# Altium PCB track_kit_test_3.PcbDoc
Units mm, origin at the board's own origin, x right, y up, seen from the top; angles counter-clockwise.
Board outline 60 x 169.5 mm, 2 copper layers (Top Layer, Bottom Layer), stack 1.571 mm thick; 57 components, 71 nets, 171 pads, 4 vias.
Unrouted connection lines stored in the file: 81.
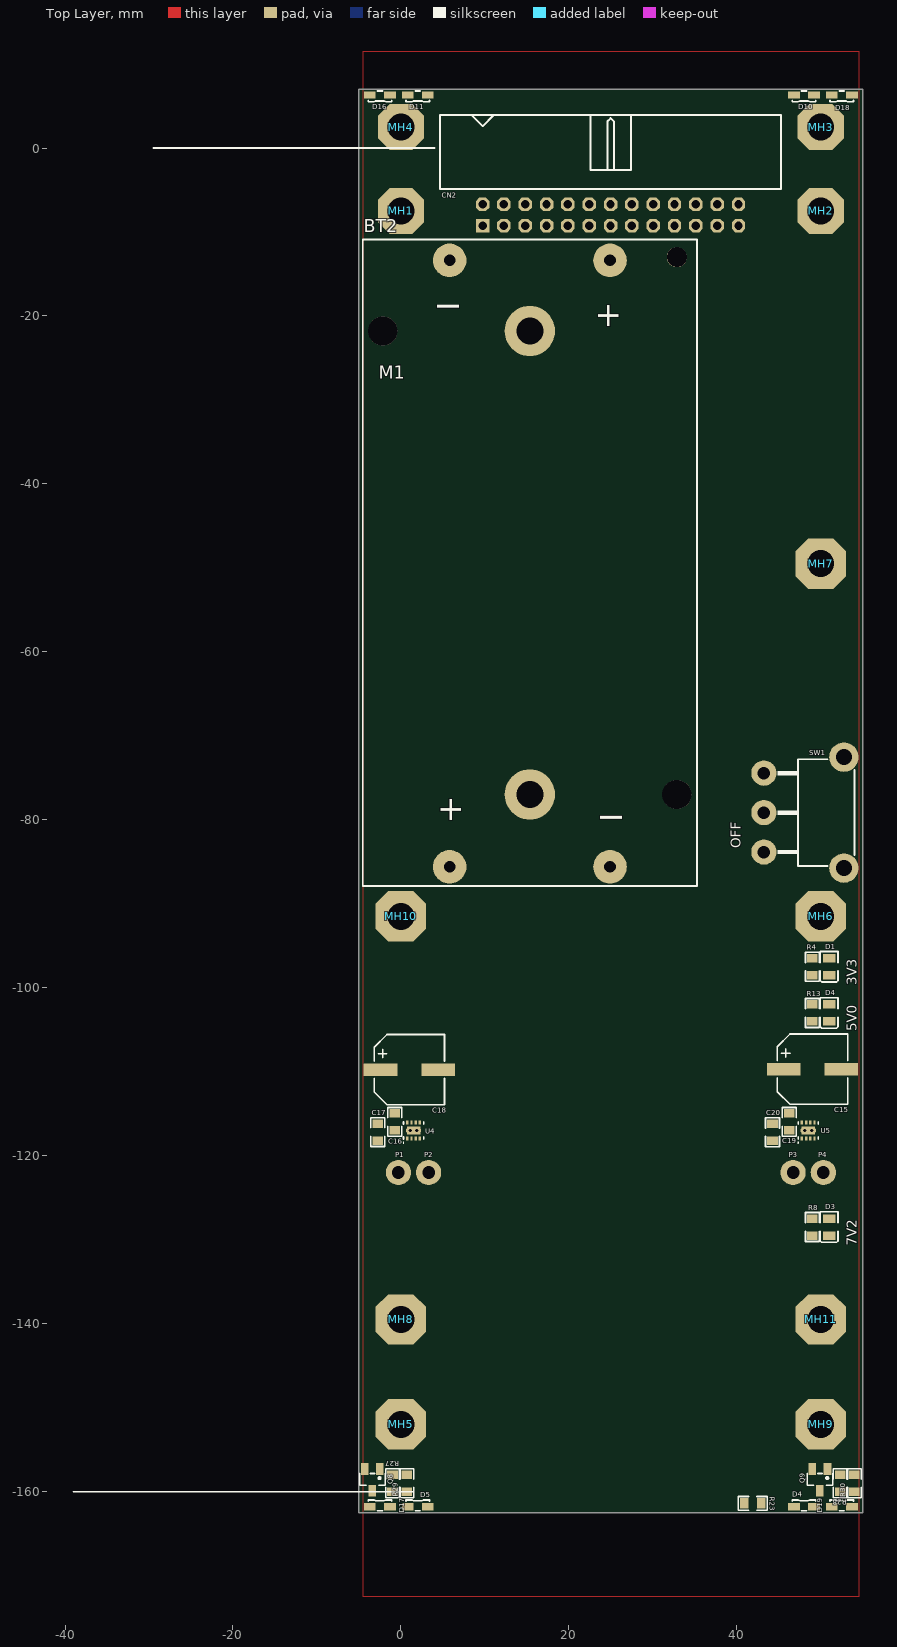
[diagram p0: Top Layer view]
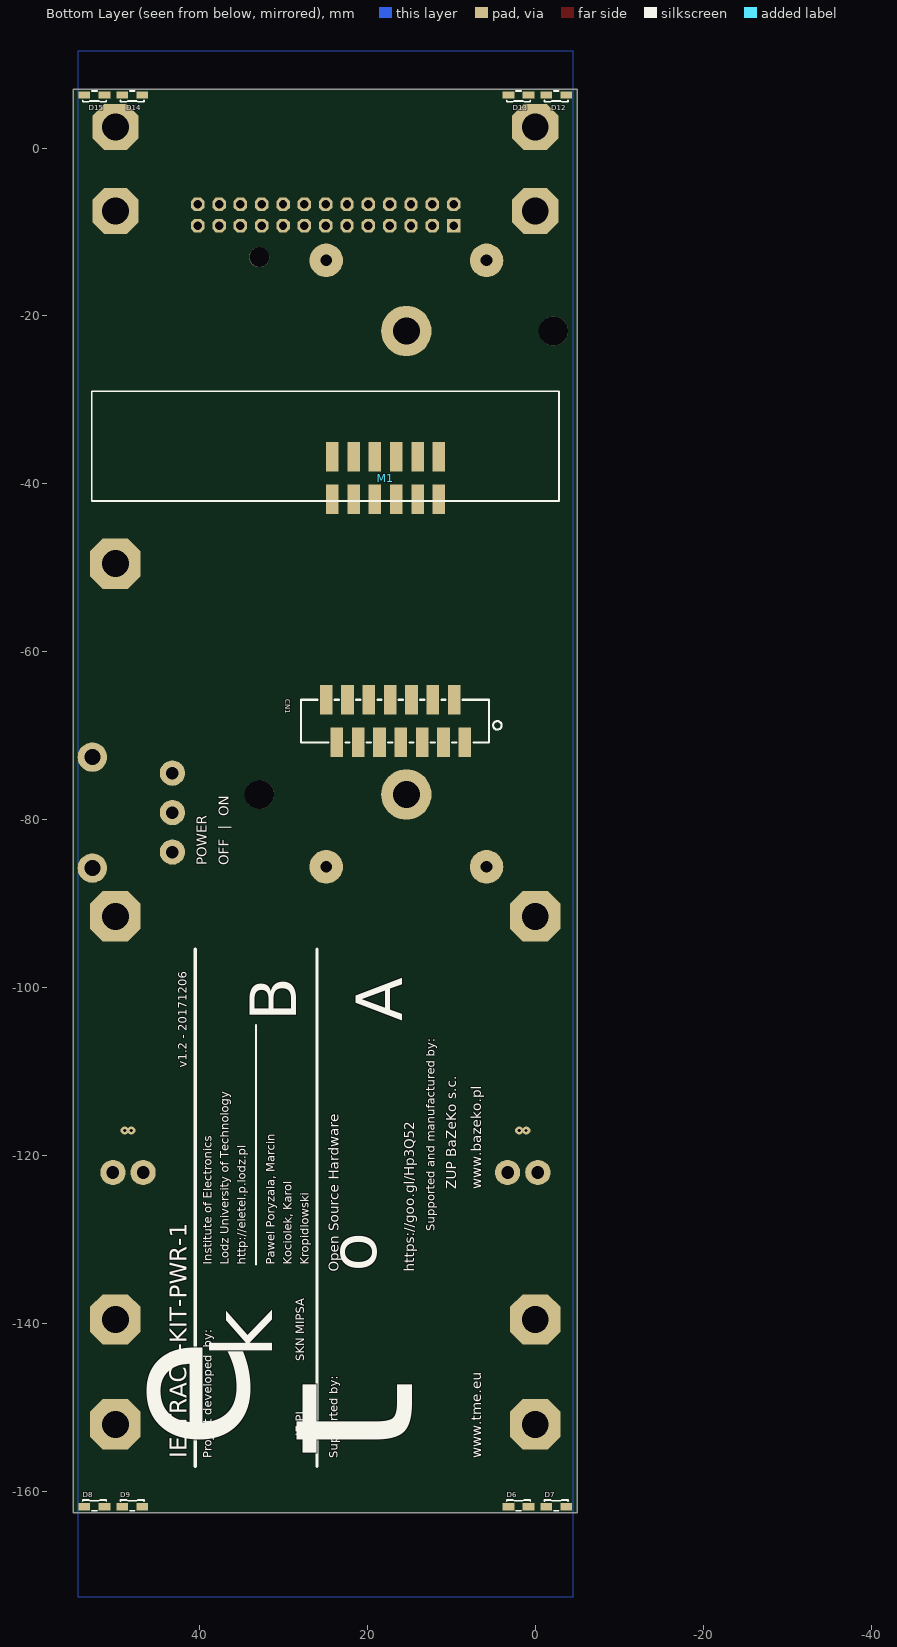
[diagram p1: Bottom Layer view, seen from below]

## Layer stack, top to bottom
Top Solder: solder mask 0.0102, Solder Resist, Dk 3.5
Top Layer: signal copper 0.0356
Dielectric 1: dielectric 1.5, FR-4, Dk 4.8
Bottom Layer: signal copper 0.0356
Bottom Solder: solder mask 0.0102, Solder Resist, Dk 3.5

## Board outline
-5,-162.5 55,-162.5 55,7 -5,7

## Design rules (kind name [scope] priority, off if disabled: settings)
Clearance Clearance_1 [OnLayer('Mechanical 3')] p1: gap=0.5 ignorepadtopadclearanceinfootprint=FALSE
Clearance [All] p2: gap=0.2 ignorepadtopadclearanceinfootprint=FALSE
ComponentClearance [All] p1: gap=0.2 collisioncheckmode=3 verticalgap=0.2 showdistances=FALSE
HoleSize [All] p1: absolutevalues=TRUE maxlimit=3.2 minlimit=0.025 maxpercent=80.000 minpercent=20.000
PolygonConnect [All] p1: thpad.connectstyle=Relief thpad.reliefconductorwidth=0.6 thpad.reliefentries=4 thpad.polygonreliefangle="90 Angle" thpad.airgapwidth=0.254 smdpad.connectstyle=Relief smdpad.reliefconductorwidth=0.6 smdpad.reliefentries=4 smdpad.polygonreliefangle="90 Angle" smdpad.airgapwidth=0.254 via.connectstyle=Direct via.reliefconductorwidth=0.6 via.reliefentries=4 via.polygonreliefangle="90 Angle" via.airgapwidth=0.254
RoomDefinition mechanical [InComponentClass('mechanical')] p1: confinementstyle=ConfineIn formatcopy=TRUE lockcomponents=FALSE outline -22.4,-192.3 73.1,-192.3 73.1,36.5 -22.4,36.5
RoomDefinition main_connector [InComponentClass('main_connector')] p2: confinementstyle=ConfineIn formatcopy=TRUE lockcomponents=FALSE outline -24.7,-196.1 86.7,-196.1 86.7,53.9 -24.7,53.9
RoutingVias [All] p1: holewidth=0.4 width=1 viastyle="Through Hole" minholewidth=0.3 minwidth=0.6 maxholewidth=0.4 maxwidth=1
SilkToSolderMaskClearance [IsPad] p1: minsilkscreentomaskgap=0 clearancetoexposedcopper=TRUE
SolderMaskExpansion [All] p1: expansion=0.102
Width [All] p1: maxlimit=4 minlimit=0.28 preferedwidth=0.6
27 further rules are at their usual default settings.

## Classes and differential pairs
component class lights: CN1 D4 D6 D7 D8 D9 D10 D11 D12 D13 D14 D15 D16 D17 D18 D19 M1 Q8 Q9 R23 R27 R28 R29 R30
component class power: D1 D3 D4 D5 R4 R8 R13 SW1
component class battery_protection: BT2
component class motor_drivers: C15 C16 C17 C18 C19 C20 C21 C22 C23 P1 P2 P3 P4 U4 U5
component class mechanical: MH1 MH3 MH4 MH5 MH6 MH8 MH9 MH10 MH11
component class main_connector: CN2 Q10 Q? R31 R32

## Components (designator, comment, footprint, x,y, rotation, side; value= is the part's Value field where it differs from the comment)
BT2 "KEYSTONE 1049" KEYSTONE_1049 15.35,-49.49 r90 top locked
C15 "220uF/16V" CES_E_8.3x8.3_6.2 49,-109.7 r90 top locked
C16 "100nF" C0805 -0.75,-115.975 r90 top locked
C17 "100nF" C0805 -2.75,-117.191 r270 top locked
C18 "220uF/16V" CES_E_8.3x8.3_6.2 1,-109.75 r90 top locked
C19 "100nF" C0805 46.25,-115.975 r90 top locked
C20 "100nF" C0805 44.25,-117.2 r270 top locked
CN1 "TMM-6-L-14-2" MM_14_SMD_LCK 16.645,-68.246 r180 bottom locked
CN2 "IDC Connector" IDC26_RA_LONG_W_CN 24.96,-7.97 r0 top locked
D1 "LED_YELLOW" LED0805Y 51,-97.5 r270 top
D3 "RED" LED0805R 51,-128.5 r270 top
D4 "KA-2810ASURSK" LED2810 48,-161.4 r180 top locked
D4 "GREEN" LED0805G 51,-103 r270 top
D5 "KA-2810ASURSK" LED2810 2,-161.4 r180 top locked
D6 "KA-2810ASURSK" LED2810 2,-161.4 r0 bottom locked
D7 "KA-2810ASURSK" LED2810 -2.5,-161.4 r0 bottom locked
D8 "KA-2810ASURSK" LED2810 52.5,-161.4 r0 bottom locked
D9 "KA-2810ASURSK" LED2810 48,-161.4 r0 bottom locked
D10 "LTW-108DCG-HS10" LED2810 48,5.9 r0 top
D11 "LTW-108DCG-HS10" LED2810 2,5.9 r0 top
D12 "LTW-108DCG-HS10" LED2810 -2.5,5.9 r180 bottom
D13 "LTW-108DCG-HS10" LED2810 2,5.9 r180 bottom
D14 "LTW-108DCG-HS10" LED2810 48,5.9 r180 bottom
D15 "LTW-108DCG-HS10" LED2810 52.5,5.9 r180 bottom
D16 "KA-2810ASESK" LED2810 -2.5,5.9 r0 top
D17 "KA-2810ASESK" LED2810 -2.5,-161.4 r180 top locked
D18 "KA-2810ASESK" LED2810 52.5,5.9 r0 top
D19 "KA-2810ASESK" LED2810 52.5,-161.4 r180 top locked
M1 "QTR-8RC_VIA_IDC" QTR-8RC_SNAPPED_GOLDPIN_VERTICAL 25,-39.3 r0 top locked
MH1 "MHOLE 3mm" "3mm screw drill I"#1 0,-7.5 r0 top
MH2 "MHOLE 3mm" "3mm screw drill I"#1 50,-7.5 r0 top
MH3 "MHOLE 3mm" "3mm screw drill I"#1 50,2.5 r0 top
MH4 "MHOLE 3mm" "3mm screw drill I"#2 0,5 r0 top
MH5 "MHOLE 3mm" "3mm screw drill I"#3 0,-152 r0 top
MH6 "MHOLE 3mm" "3mm screw drill I"#3 50,-91.5 r0 top
MH7 "MHOLE 3mm" "3mm screw drill I"#3 50,-49.5 r0 top
MH8 "MHOLE 3mm" "3mm screw drill I"#3 0,-139.5 r0 top
MH9 "MHOLE 3mm" "3mm screw drill I"#3 50,-152 r0 top
MH10 "MHOLE 3mm" "3mm screw drill I"#3 0,-91.5 r0 top
MH11 "MHOLE 3mm" "3mm screw drill I"#3 50,-139.5 r0 top
P1 "CablePAD" PADTHT1.5x3mm -0.3,-122 r0 top
P2 "CablePAD" PADTHT1.5x3mm 3.3,-122 r0 top locked
P3 "CablePAD" PADTHT1.5x3mm 46.7,-122 r0 top locked
P4 "CablePAD" PADTHT1.5x3mm 50.3,-122 r0 top locked
Q8 "IRLML0040TRPBF" SOT-23 -3.4,-158.6 r180 top
Q9 "IRLML0040TRPBF" SOT-23 49.9,-158.6 r180 top
R4 "220R" R0805 49,-97.5 r90 top
R8 "1k" R0805 49,-128.5 r90 top
R13 "150R" R0805 49,-103 r90 top
R23 "10R" R0805 41.9,-161.4 r0 top
R27 "10R" R0805 -1,-159 r270 top
R28 "10R" R0805 52.3,-159 r270 top
R29 "1k" R0805 0.7,-159 r270 top
R30 "1k" R0805 54,-159 r270 top
SW1 "SL19123" 500SSPXS1M6XEA 43.22,-79.145 r90 top
U4 "DRV8838" "WSON8 (DSG8-1600X900TP)" 1.5,-117 r90 top locked
U5 "DRV8838" "WSON8 (DSG8-1600X900TP)" 48.5,-117 r90 top locked

## Footprints (in the part's own frame and the unit in brackets; to place one, negate y for a bottom-side part, rotate by r counter-clockwise, add the part's x,y. Pads: shape width x height; smd on the part's side, far side on the other; paste and mask are expansions set on the pad)
"3mm screw drill I"#1 [mm]
  oct 5.5x5.5 hole 3.2: 1(0,0)
"3mm screw drill I"#2 [mm]
  oct 5.5x5.5 hole 3.2: 1(0,-2.5)
"3mm screw drill I"#3 [mm]
  oct 6x6 hole 3.2: 1(0,0)
  body extent -2.75,9.75 2.75,15.25, height 4.2
500SSPXS1M6XEA [mm] "E-Switch 500 Series Miniature Slide Switche (TME: Canal Electronic, SL19123)"
  round 3 hole 1.5: 1(-4.7,0) 2(0,0) 3(4.7,0)
  round 3.5 hole 1.9: M(-6.605,-9.53) M(6.605,-9.53)
  silkscreen extent -6.35,-10.79 6.35,-1.65, body extent -6.78,-15.49 6.79,0.7, height 6.8
C0805 [mil]
  rect 40x50 smd: 1(-40,0) 2(40,0)
  silkscreen extent -68,-33 68,33, body extent -39,-25 39,25, height 31
CES_E_8.3x8.3_6.2 [mm] "SMT Aluminum Electrolytic Capacitor, E Size; base: 8.3x8.3mm, height: 6.2mm"
  rect 1.5x4 smd: 1(0,3.429) 2(0,-3.429)
  silkscreen extent -4.19,-4.19 4.19,4.19, body extent -4.15,-4.5 4.15,4.5, height 6.2
IDC26_RA_LONG_W_CN [mm] "2.54mm, 26 Pin IDC Male Connector, Right Angle"
  rect 1.6x1.6 hole 1: 1(-15.24,-1.27)
  oct 1.6x1.6 hole 1: 2(-15.24,1.27) 3(-12.7,-1.27) 4(-12.7,1.27) 5(-10.16,-1.27) 6(-10.16,1.27) 7(-7.62,-1.27) 8(-7.62,1.27) 9(-5.08,-1.27) 10(-5.08,1.27) 11(-2.54,-1.27) 12(-2.54,1.27) 13(0,-1.27) 14(0,1.27) 15(2.54,-1.27) 16(2.54,1.27) 17(5.08,-1.27) 18(5.08,1.27) 19(7.62,-1.27) 20(7.62,1.27) 21(10.16,-1.27) 22(10.16,1.27) 23(12.7,-1.27) 24(12.7,1.27) 25(15.24,-1.27) 26(15.24,1.27)
  silkscreen extent -20.32,3.1 20.32,11.9, body extent -20.37,-1.64 20.31,21.3, height 9.13
KEYSTONE_1049 [mm] "THT double 18650 LiPo Holder"
  round 4 hole 1.4: 1(-36.11,9.55) 2(36.11,9.55) 3(-36.11,-9.55) 4(36.11,-9.55)
  round 6 hole 3.2: M1(-27.5,0) M2(27.7,0)
  round 3.45 hole 3.5: M3(-27.5,-17.505) M4(27.7,17.5)
  round 2.4 hole 2.4: M5(36.5,-17.505)
  silkscreen extent -38.4,-19.9 38.6,19.9, body extent -38.4,-19.89 38.66,19.89, height 14.88
LED0805G [mil]
  rect 40x60 smd: 1(-40,0) 2(40,0)
  silkscreen extent -72,-41 72,41, body extent -40,-25 40,25, height 43
LED0805R [mil]
  rect 40x60 smd: 1(-40,0) 2(40,0)
  silkscreen extent -72,-41 72,41, body extent -40,-25 40,25, height 43
LED0805Y [mil]
  rect 40x60 smd: 1(-40,0) 2(40,0)
  silkscreen extent -72,-41 72,41, body extent -40,-25 40,25, height 43
LED2810 [mm] "SMD 2810 LED case (for e.g. Kingbright KA-2810 series)"
  rect 1.4x0.86 smd: 1(1.2,0.4) 2(-1.2,0.4)
  silkscreen extent -1.4,-0.4 1.4,0.9, body extent -1.4,-0.4 1.4,0.9, height 0.8
MM_14_SMD_LCK [mm] "16 Pin MicroMatch Connector With Lock"
  rect 1.5x3.5 smd: 1(8.255,-2.54) 2(6.985,2.54) 3(5.715,-2.54) 4(4.445,2.54) 5(3.175,-2.54) 6(1.905,2.54) 7(0.635,-2.54) 8(-0.635,2.54) 9(-1.905,-2.54) 10(-3.175,2.54) 11(-4.445,-2.54) 12(-5.715,2.54) 13(-6.985,-2.54) 14(-8.255,2.54)
  silkscreen extent -11.26,-2.54 12.63,2.54, body extent -11.12,-3.45 11.13,3.47, height 5.3
PADTHT1.5x3mm [mm]
  round 3 hole 1.5: 0(0,0)
QTR-8RC_SNAPPED_GOLDPIN_VERTICAL [mm] "QTR-8RC Reflectance Sensor Array"
  rect 1.5x3.5 smd far side: 1(-0.825,2.54) 2(-3.365,2.54) 3(-5.905,2.54) 4(-8.445,2.54) 5(-10.985,2.54) 6(-13.525,2.54) GND(-13.525,-2.54) GND(-10.985,-2.54) GND(-8.445,-2.54) GND(-5.905,-2.54) LEDON(-0.825,-2.54) VCC(-3.365,-2.54)
  body extent -27.82,-3.52 27.77,11.05, height 15.33
R0805 [mil]
  rect 40x50 smd: 1(-40,0) 2(40,0)
  silkscreen extent -68,-32 68,32, body extent -39,-25 39,25, height 31
SOT-23 [mm]
  rect 0.9x1.4 smd: 1(-0.9,-1.3) 2(0.9,-1.3) 3(0,1.3)
  silkscreen extent -1.52,-0.76 1.52,0.64, body extent -1.46,-1.25 1.46,1.23, height 1
"WSON8 (DSG8-1600X900TP)" [mm] "SON, 8-Leads, Body 2x2mm, Pitch 0.5mm, Thermal Pad 1.6x0.9mm, TI Recommended"
  rect 0.5x0.28 smd paste-0.14 mask+0.07: 1(-0.95,0.75) 2(-0.95,0.25) 3(-0.95,-0.25) 4(-0.95,-0.75) 5(0.95,-0.75) 6(0.95,-0.25) 7(0.95,0.25) 8(0.95,0.75)
  rect 0.9x1.6 smd paste-0.45 mask+0.07: 9(0,0)
  silkscreen extent -1.5,-1.2 1.05,1.25, body extent -1.05,-1.05 1.05,1.05, height 0.8

## Part data
BT2: library part "Keystone 1049", "2x 18650 LiPo Acu in the KEYSTONE 1049 Holder", Published=14-Sep-2006
C15 C18: library part "Cap Pol", "Polarized Capacitor", ComponentLink1Description=datasheet, ComponentLink2Description=supplier
C16 C17 C19 C20: library part Cap, "Capacitor", ComponentLink1Description=datasheet, ComponentLink2Description=supplier
CN1: "14-pin MicroMarch Female Socket With Locking Mechanism, Vertical, SMD"
CN2: library part CN_13x2
D1: "YELLOW LED", Published=04-Apr-2006
D3: library part LED_RED, "RED LED", Published=04-Apr-2006
D4: library part LED_GREEN, "GREEN LED", Published=04-Apr-2006
M1: "QTR-8RC Reflectance Sensor Array (Pololu item No. 961)", Published=14-Sep-2006
MH1 MH2 MH3 MH4 MH5 MH6 MH7 MH8 MH9 MH10 MH11: library part MHOLE_3MM, "3mm Mounting Hole"
P1 P2 P3 P4: "Cable/Wire Soldering PAD", Published=14-Sep-2006
Q8 Q9: "N-Channel; 40V, 3.6A, 1,25W; HEXFET Power MOS-FET", Supplier Part Number 1=1831088RL, Supplier 1=Farnell, Supplier 2=TME, Supplier 3=Farnell, Supplier 4=Farnell, Supplier Part Number 2=IRLML0040TRPBF, Supplier Part Number 3=1829136, Supplier Part Number 4=1831088
R4 R8 R13 R23 R27 R28 R29 R30: library part Res, "Resistor", ComponentLink1Description=datasheet, ComponentLink2Description=supplier, Published=19-Feb-2006
SW1: "Canal Electronic SPDT AC: 3A/250V, DC: 6A/28V", Supplier 1=TME, Supplier Part Number 1=SL19123
U4 U5: "Low-Voltage H-Bridge Driver", Supplier Part Number 1=2420232, Published=14-Sep-2006, Supplier 1=Farnell, Supplier 2=Farnell, Supplier Part Number 2=2542736
D4 D5 D6 D7 D8 D9 D10 D11 D12 D13 D14 D15 D16 D17 D18 D19: Published=04-Apr-2006

## Via types
v1: diameter 1, hole 0.4, Top Layer to Bottom Layer, tented both sides, 4 vias

## Nets (pads, with @x,y where several pads share a name; then routed paths per layer and width w, separated by ;. In a path a pad name is that pad's centre, name@x,y a point inside that pad or via, vN(x,y) a via of type N, cw(c..) or ccw(c..) an arc to the next point about the centre after c; other vN are vias at no path point)
3V3: C15.1 C17.2 C18.1 C20.2 D1.1 MH10.1 R23.1 R27.1 R28.1 U4.1 U5.1
5V0: D4.1@51,-101.984
7V2: BT2.1 SW1.2
7V2_SW: D3.1 SW1.3
EN_LEFT: CN2.18 U4.5
EN_RIGHT: CN2.17 U5.5
FB_3V3: 
FB_5V: 
GND: C15.2 C16.1 C17.1 C18.2 C19.1 C20.1 CN1.1 CN1.3 CN1.5 CN1.7 CN1.9 CN2.4 CN2.6 CN2.22 M1.1 M1.3 M1.5 MH1.1 MH2.1 MH3.1 MH4.1 MH5.1 MH6.1 MH7.1 MH8.1 MH9.1 MH11.1 Q8.2 Q9.2 R4.2 R8.2 R13.2 R29.2 R30.2 SW1.M U4.4 U4.9 U5.4 U5.9
  other v1: 1.1,-117 1.9,-117 48.1,-117 48.9,-117
LD1: CN1.14 CN2.13
LD2: CN1.12 CN2.11
LD3: CN1.10 CN2.9
LD4: CN1.8 CN2.7
LD5: CN1.6 CN2.5 M1.6
LD6: CN1.4 CN2.3 M1.4
LEDON: CN1.13 CN2.14
LIGHTS_FRONT: CN2.10
LIGHTS_REAR: CN2.8
LIGHTS_TURN_LEFT: CN2.2 Q8.1 R29.1
LIGHTS_TURN_RIGHT: CN2.1 Q9.1 R30.1
NetBT2_2: BT2.2 BT2.4
NetC5_2: 
NetC6_2: 
NetC10_2: 
NetC11_2: 
NetC12_1: 
NetC12_2: 
NetC14_2: 
NetCN2_21: CN2.21
NetCN2_23: CN2.23 CN2.24
NetCN2_25: CN2.25 CN2.26
NetD1_2: D1.2 R4.1
NetD2_2: 
NetD3_2: D3.2 R8.1
NetD4_1: D4.1@46.8,-161.8 D5.1 D6.1 D7.1 D8.1 D9.1
NetD4_2: D4.2@49.2,-161.8 D5.2 D6.2 D7.2 D8.2 D9.2 R23.2
NetD4_2: D4.2@51,-104.016 R13.1
NetD5_2: 
NetD10_1: D10.1 D11.1 D12.1 D13.1 D14.1 D15.1
NetD10_2: D10.2 D11.2 D12.2 D13.2 D14.2 D15.2
NetD16_1: D16.1 D17.1 Q8.3
NetD16_2: D16.2 D17.2 R27.2
NetD18_1: D18.1 D19.1 Q9.3
NetD18_2: D18.2 D19.2 R28.2
NetP1_0: P1.0 U4.2
NetP2_0: P2.0 U4.3
NetP3_0: P3.0 U5.2
NetP4_0: P4.0 U5.3
NetQ1_3: 
NetQ1_4: 
NetQ2_2: 
NetQ3_3: 
NetQ3_4: 
NetQ4_2: 
NetQ5_1: 
NetQ5_4: 
NetQ5_5: 
NetQ10_1: 
NetQ11_2: 
NetQ12_1: 
NetQ13_2: 
NetQ14_1: 
NetQ15_2: 
NetR18_1: 
NetR20_1: 
nSLEEP_LEFT: CN2.20 U4.7
nSLEEP_RIGHT: CN2.19 U5.7
PACK_GND: BT2.3
PH_LEFT: CN2.16 U4.6
PH_RIGHT: CN2.15 U5.6
SYSTEM_VCC: C16.2 C19.2 CN1.11 CN2.12 U4.8 U5.8
pads on no net: BT2.M1 BT2.M2 BT2.M3 BT2.M4 BT2.M5 CN1.2 M1.2 M1.GND M1.LEDON M1.VCC SW1.1

## Polygon pours and split planes (outlines as drawn)
GND on Top Layer "GND" (solid, remove dead copper, shelved, pour order 0): -4.5,11.5 54.5,11.5 54.5,-172.5 -4.5,-172.5
GND on Bottom Layer "GND" (solid, remove dead copper, shelved, pour order 2): -4.5,11.5 54.5,11.5 54.5,-172.5 -4.5,-172.5

## Silkscreen, mask and mechanical layers (free items; w line width, h text height)
Top Overlay:
  lines w0.2: -39,-160 1.5,-160 ; -29.5,0 4,0
  text "OFF" at 40.9,-83.4 h2 r90
  text "3V3" at 54.7,-99.7 h2 r90
  text "5V0" at 54.7,-105.2 h2 r90
  text "7V2" at 54.7,-130.7 h2 r90
Bottom Overlay:
  lines w0.2: 33.25,-133 33.25,-104.4
  lines w0.4: 26,-157 26,-95.4 ; 40.5,-157 40.5,-95.4
  text "OFF  |  ON" at 36.1,-85.4 h2 r270
  text "POWER" at 38.7,-85.4 h2 r270
  text "A" at 14,-104 h9.5 r270
  text "B" at 26.6,-104 h9.5 r270
  text "v1.2 - 20171206" at 41.5,-109.5 h1 r270
  text "www.bazeko.pl" at 6,-124 h2 r270
  text "ZUP BaZeKo s.c." at 9,-124 h2 r270
  text "Supported and manufactured by:" at 12,-129 h1 r270
  text "Kropidlowski" at 27,-133 h1 r270
  text "Kociolek, Karol" at 29,-133 h1 r270
  text "Pawel Poryzala, Marcin" at 31,-133 h1 r270
  text "http://eletel.p.lodz.pl" at 34.5,-133 h1 r270
  text "Lodz University of Technology" at 36.5,-133 h1 r270
  text "Institute of Electronics" at 38.5,-133 h1 r270
  text "https://goo.gl/Hp3Q52" at 14,-133.8 h2 r270
  text "o" at 17.1,-133.8 h9.5 r270
  text "Open Source Hardware" at 23,-133.8 h2 r270
  text "k" at 29,-144.1 h12.5 r270
  text "SKN MIPSA" at 27.5,-144.5 h1 r270
  text "IE PL" at 27.5,-153.4 h1 r270
  text "e" at 29,-155 h27 r270
  text "www.tme.eu" at 6,-156 h2 r270
  text "t" at 9,-156 h30 r270
  text "Supported by:" at 23.5,-156 h1 r270
  text "Project developed  by:" at 38.5,-156 h1 r270
  text "IE-TRACK-KIT-PWR-1" at 41.5,-156 h2 r270
Mechanical 2:
  circle w0.2: c50,-10 r0.707
  circle w0.2: c50,0 r0.707
  circle w0.2: c50,-130 r0.707
  circle w0.2: c0,-130 r0.707
  circle w0.2: c0,-10 r0.707
  circle w0.2: c0,0 r0.707
  lines w0.2: -5,-155 -5,5 55,5 55,-155 -5,-155
Mechanical 3:
  lines w0.254: -5,-162.5 55,-162.5 55,-15.5 55,7 -5,7 -5,-15.5 -5,-162.5
Mechanical 15:
  lines w0.254: 0,-173 50,-173 ; 0,-143 50,-143 ; 0,-139.5 50,-139.5 ; 0,-138 0,-152 50,-152 50,-136.5 ; 0,12 50,12
  text "dlugosc plytki w oryginalnej wersji 1.1" at 9.2,12.5 h1
  text "nowy projekt - silniki - v1.2" at 11,-139 h1
  text "oryginalny projekt - dodatkowe - v1.1" at 8.7,-142.4 h1
  text "oryginalny projekt - silniki - v1.1" at 8.7,-151.4 h1
  text "dlugosc plytki w oryginalnej wersji 1.1" at 9.2,-172.5 h1

## Dimensions
-5,-162.5 to 55,-162.5 on Mechanical 1
-5,7 to -5,-162.5 on Mechanical 1

## Text inside footprints (layer, text, board x,y; h text height)
BT2: Top Overlay "+" at 8.14,-80.49 h5 r90; Top Overlay "l" at 3.45,-18.29 h5 r270; Top Overlay "l" at 27.25,-80.29 h5 r90; Top Overlay "+" at 22.56,-18.29 h5 r270